# Altium PCB 移动无线控制.PcbDoc (part 1 of 4)
Units mil, origin at the board's own origin, x right, y up, seen from the top; angles counter-clockwise.
Board outline 17007.87 x 11459.7 mil, 4 copper layers (Top Layer, GND, S2, Bottom Layer), stack 30.634 mil thick; 703 components, 716 nets, 1756 pads, 483 vias.
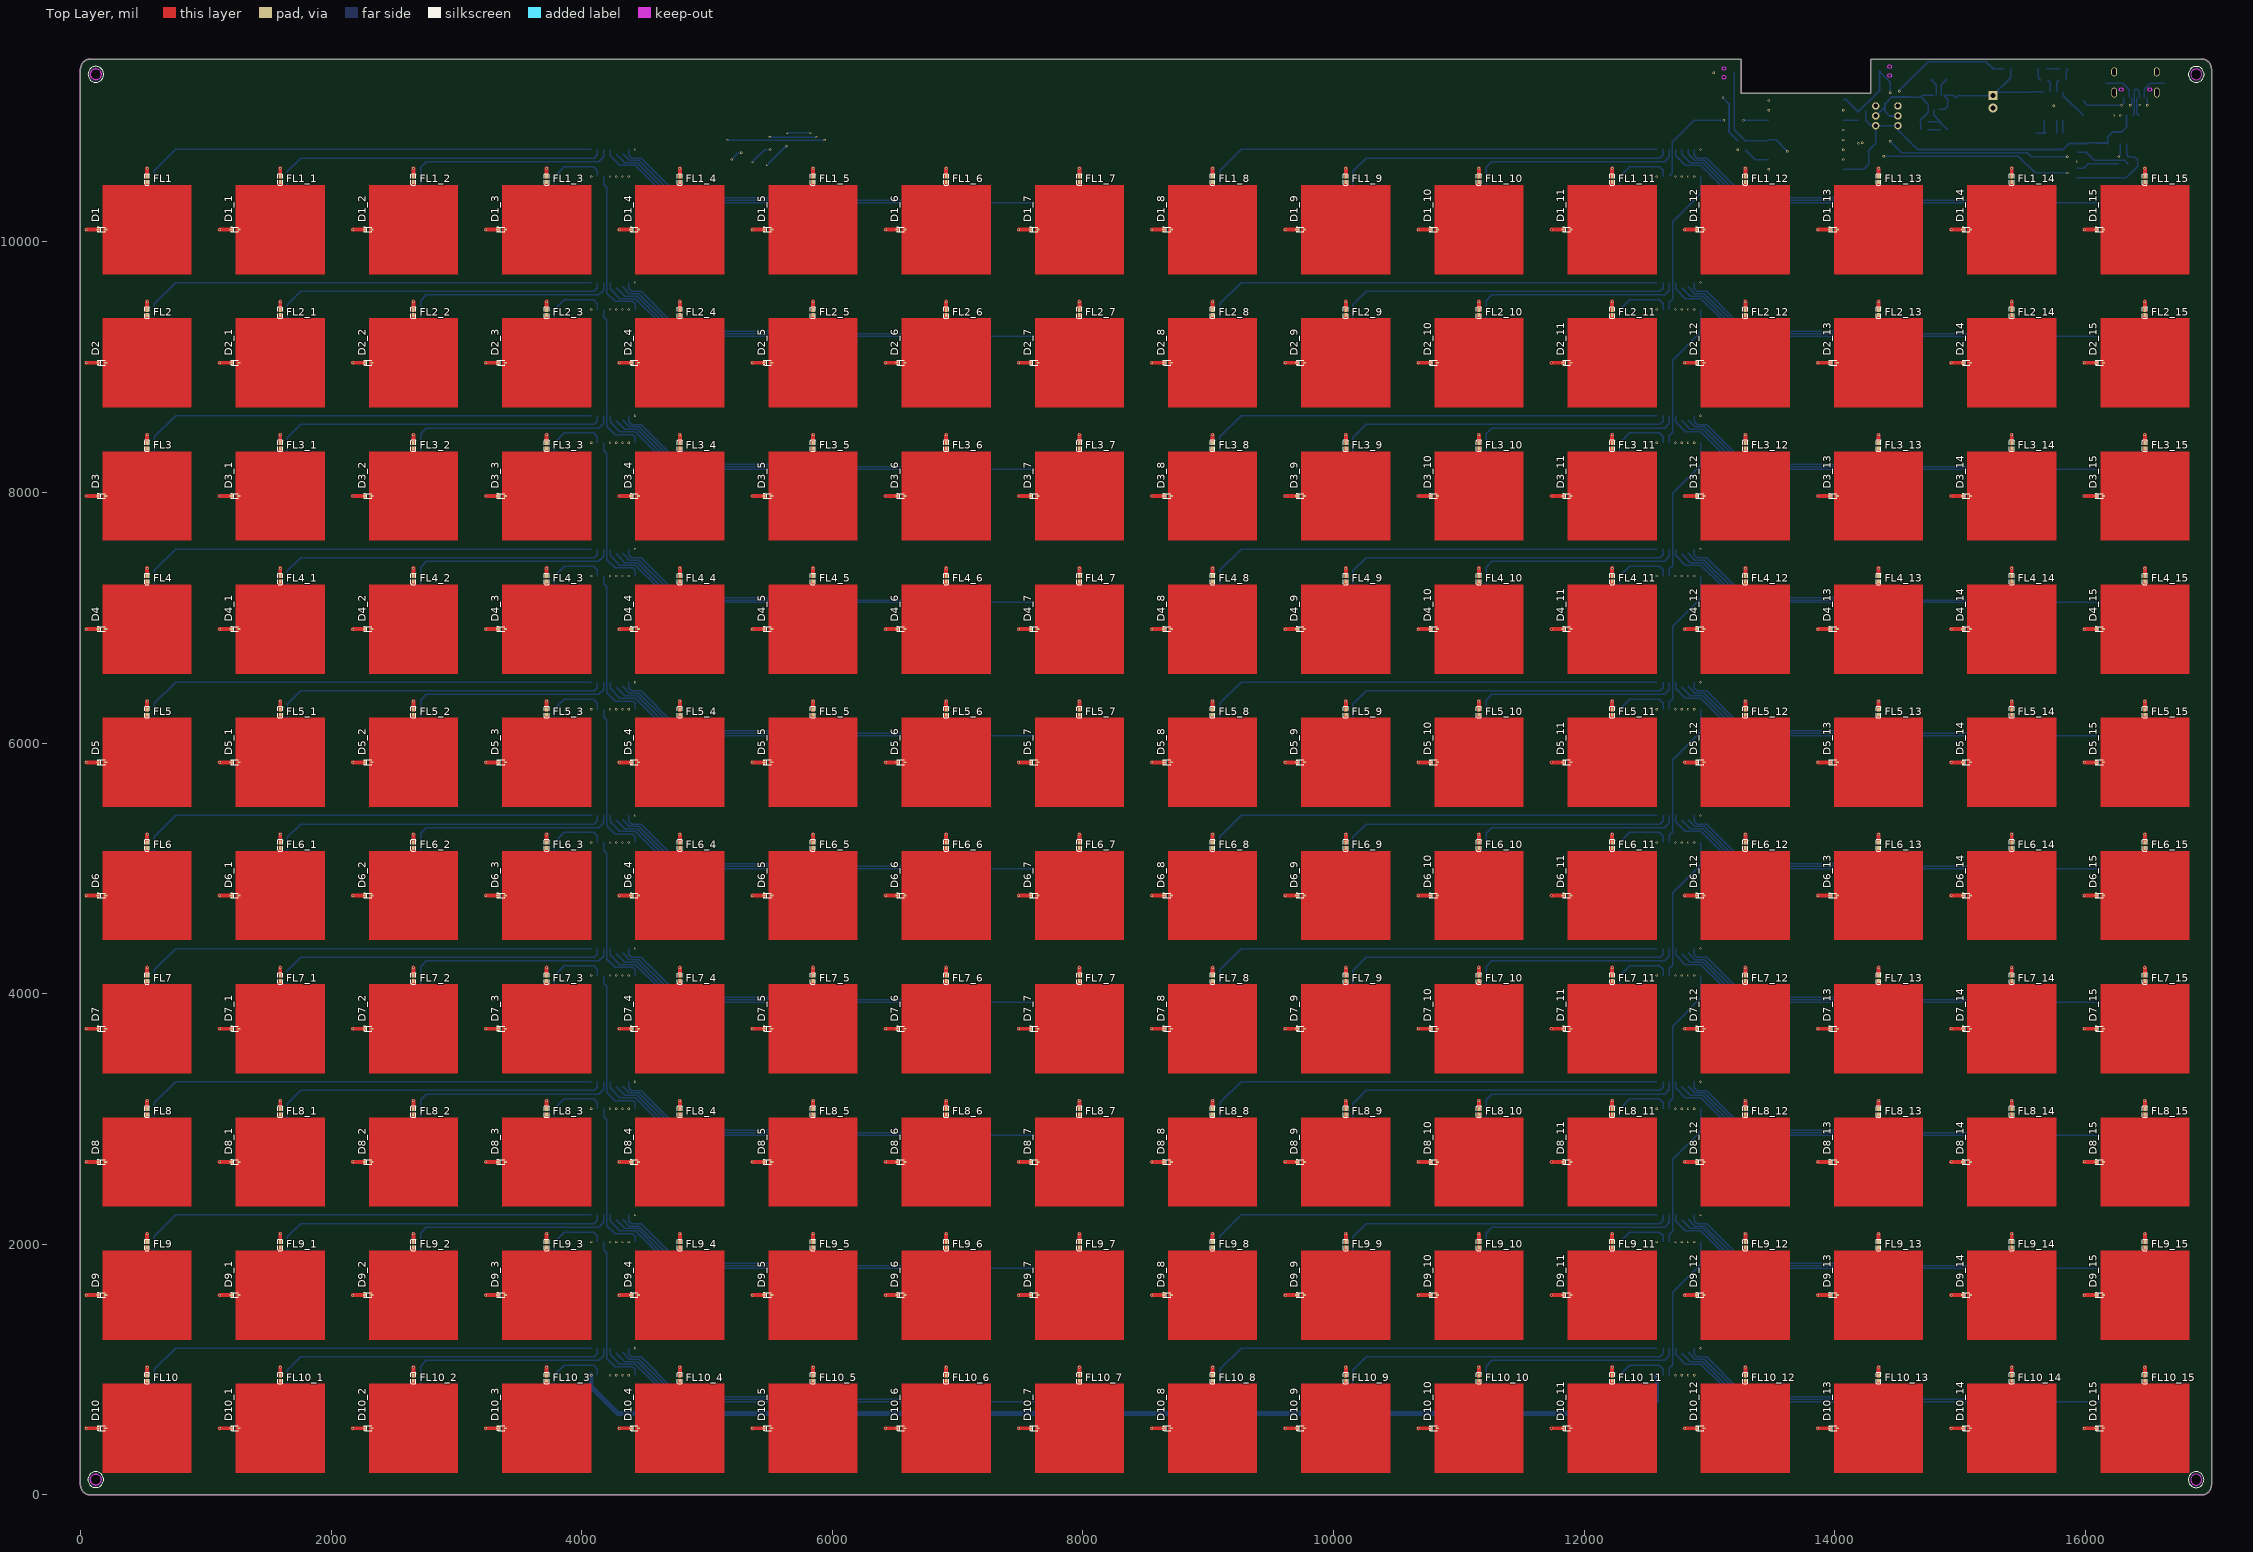
[diagram p0: Top Layer view]
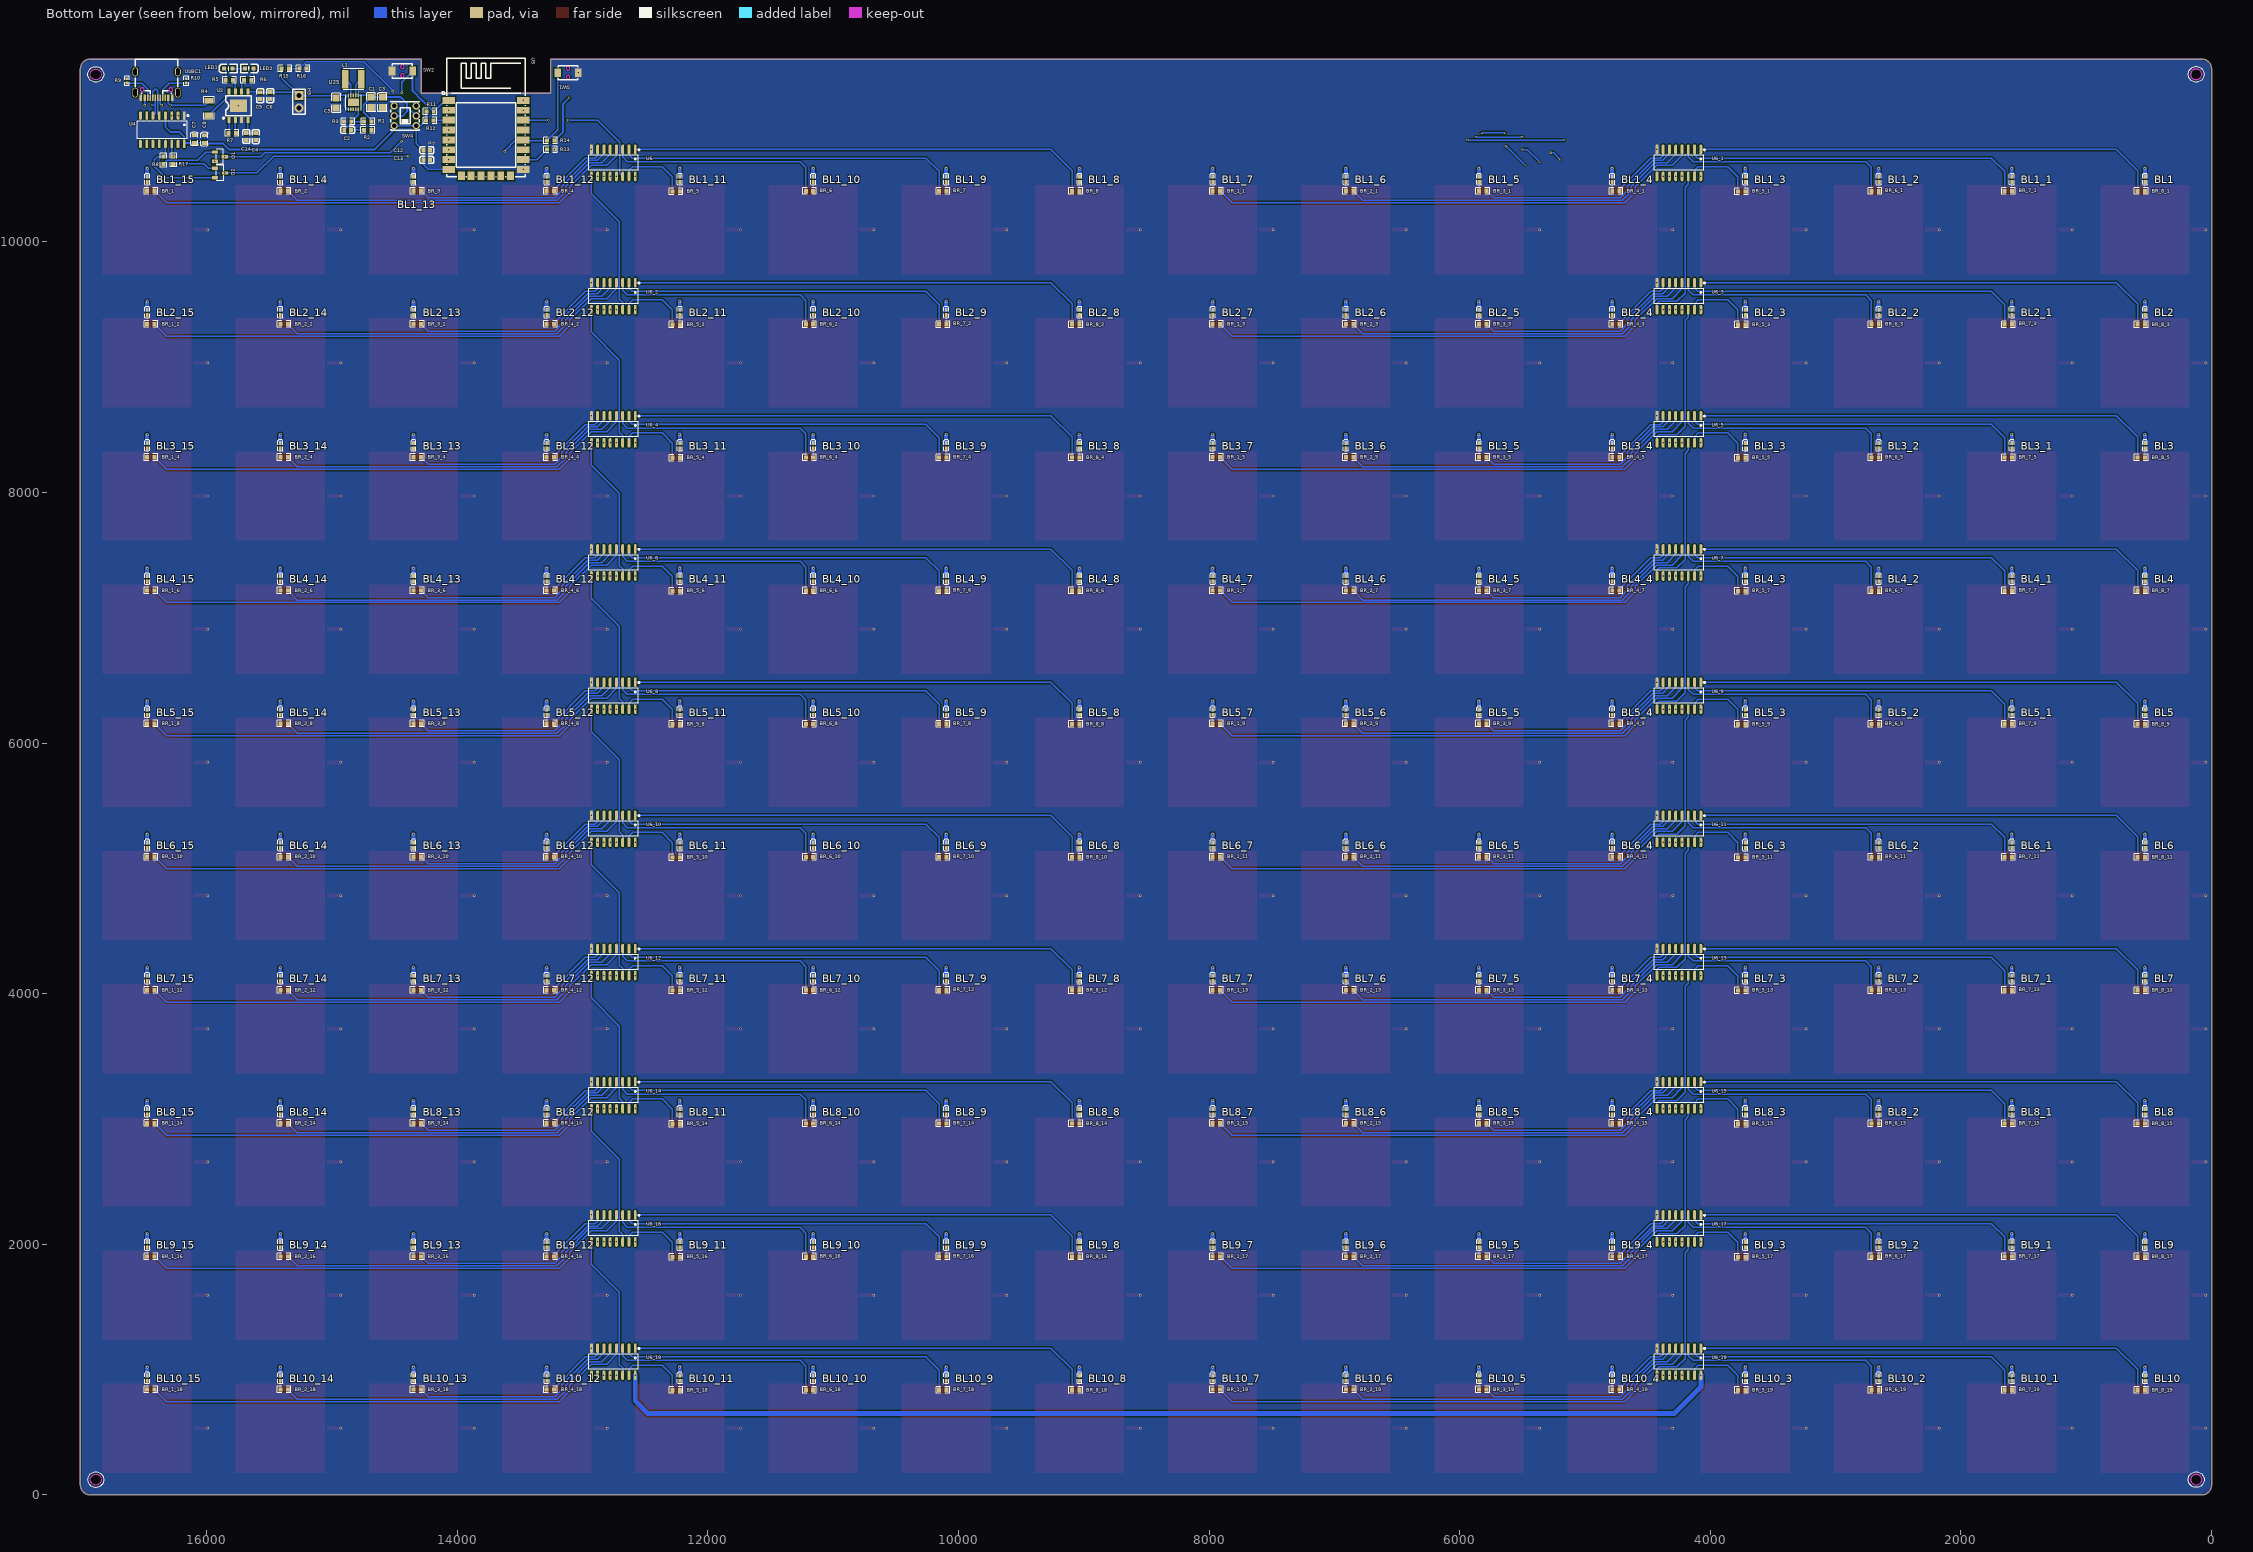
[diagram p1: Bottom Layer view, seen from below]
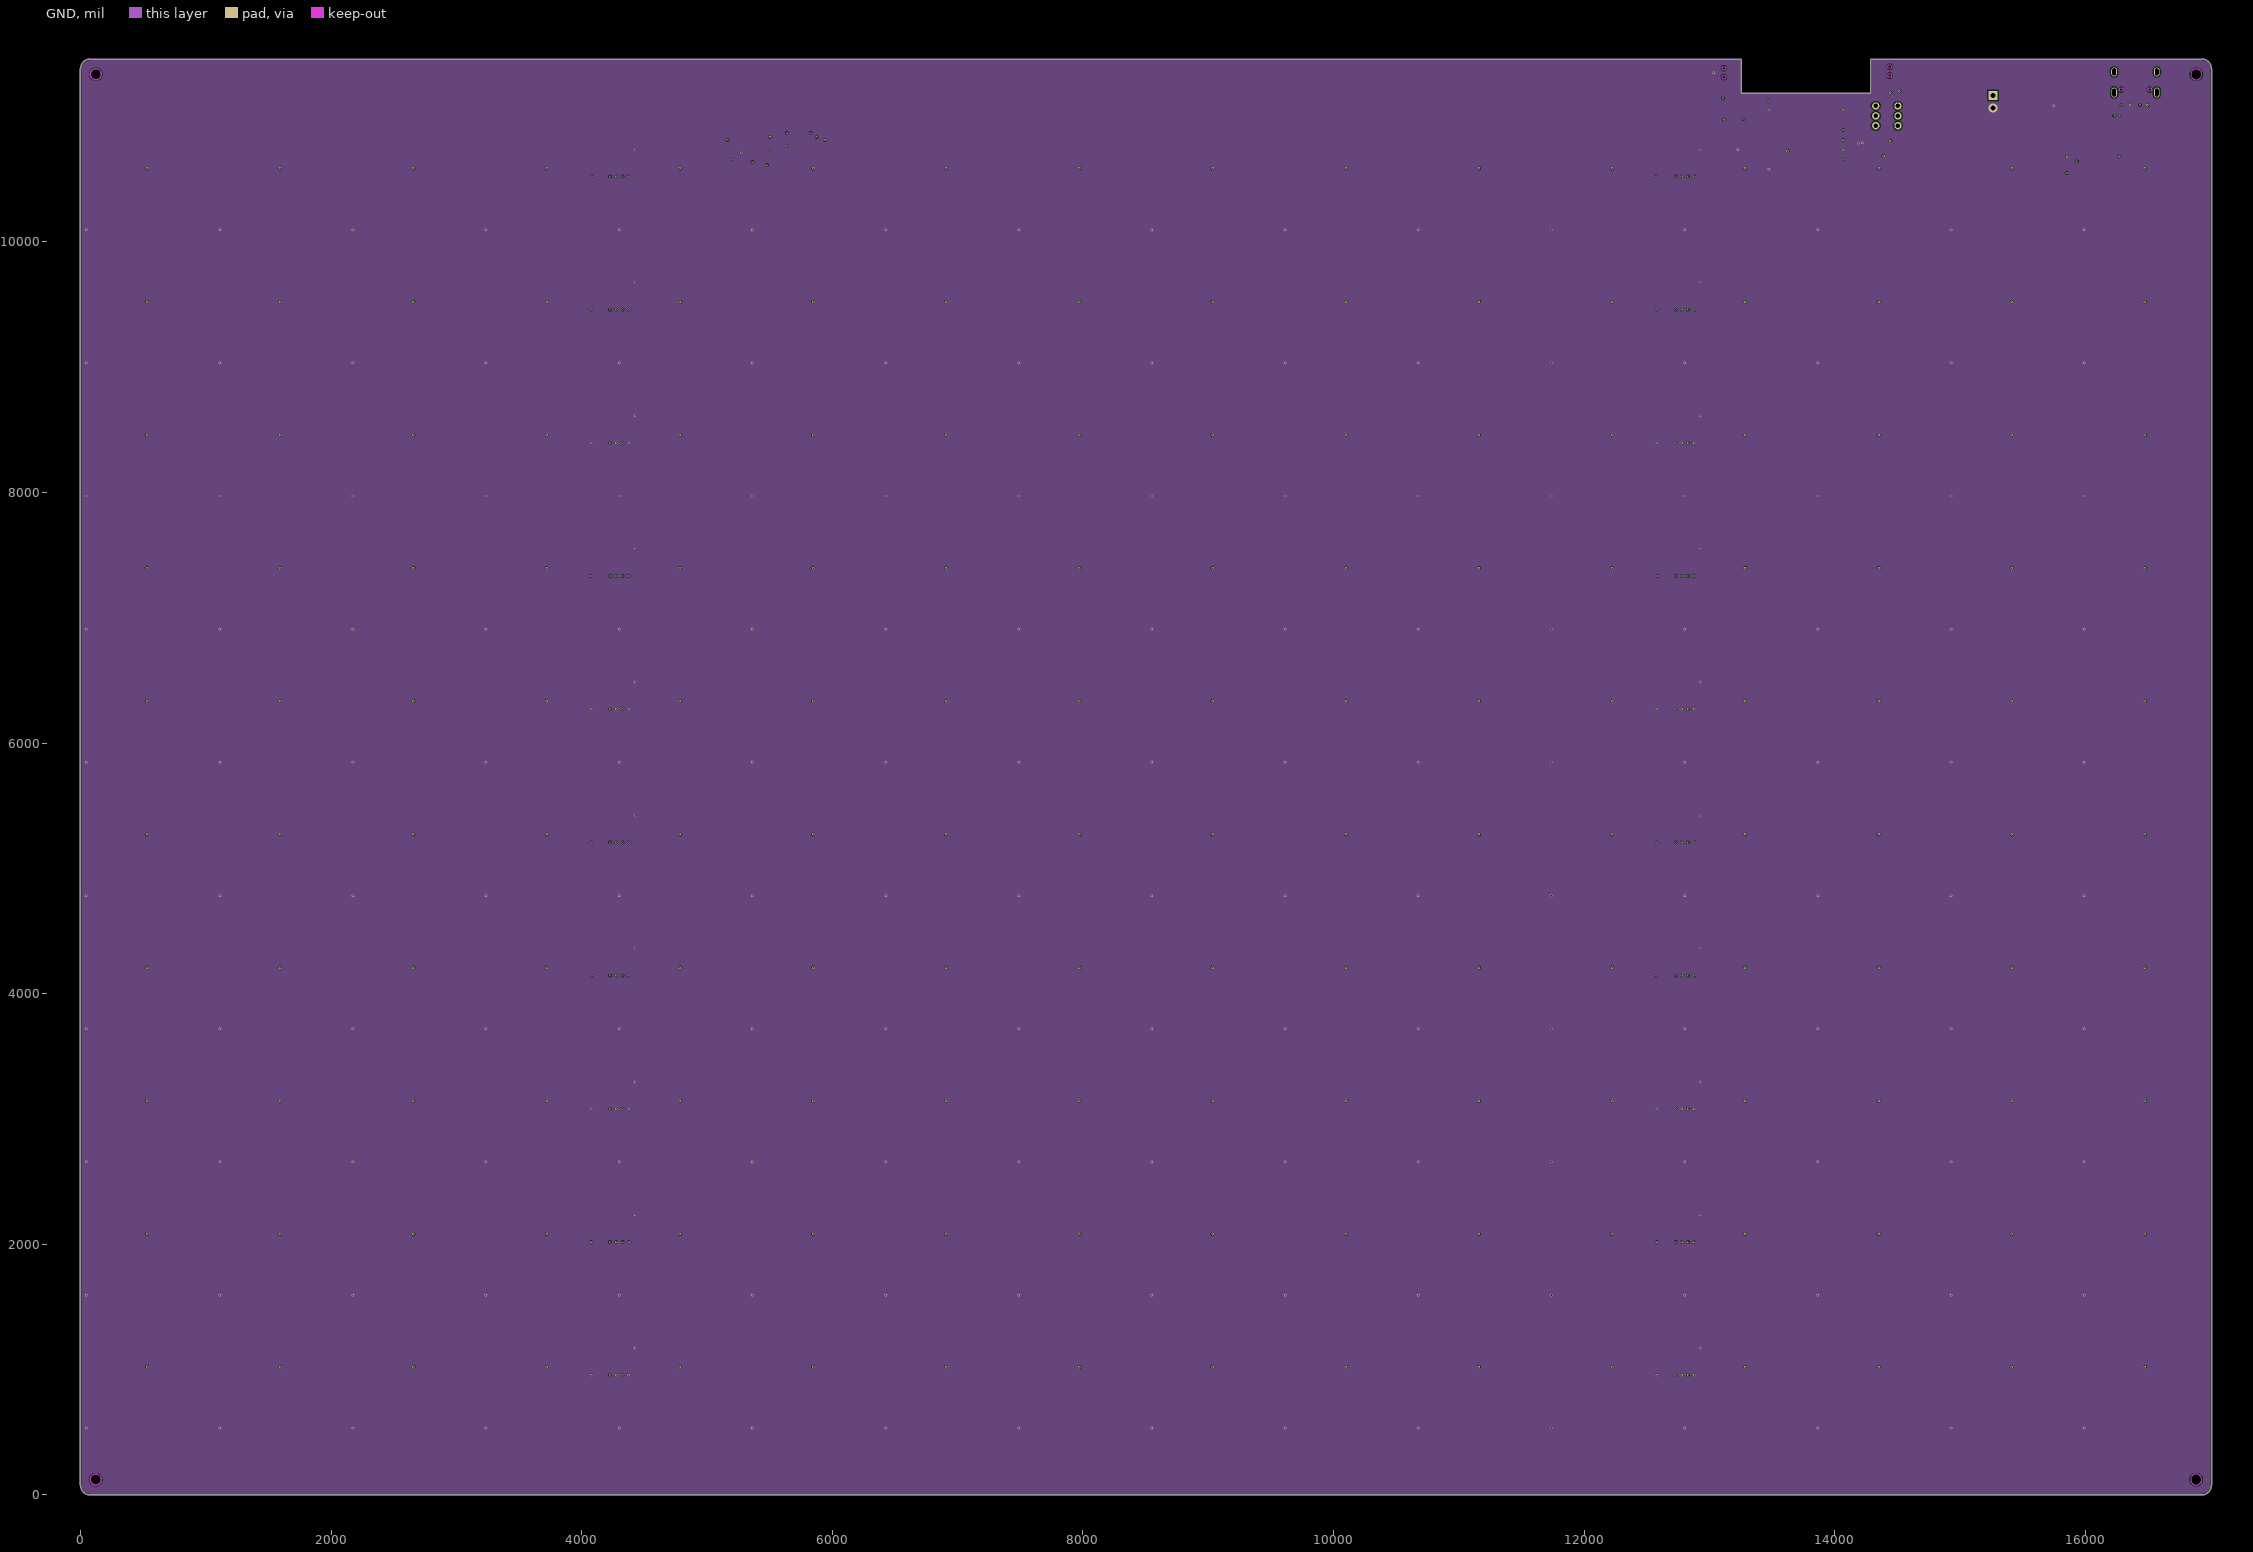
[diagram p2: GND]